# KiCad board RP2040-Breadstick Panel.kicad_pcb (continued)
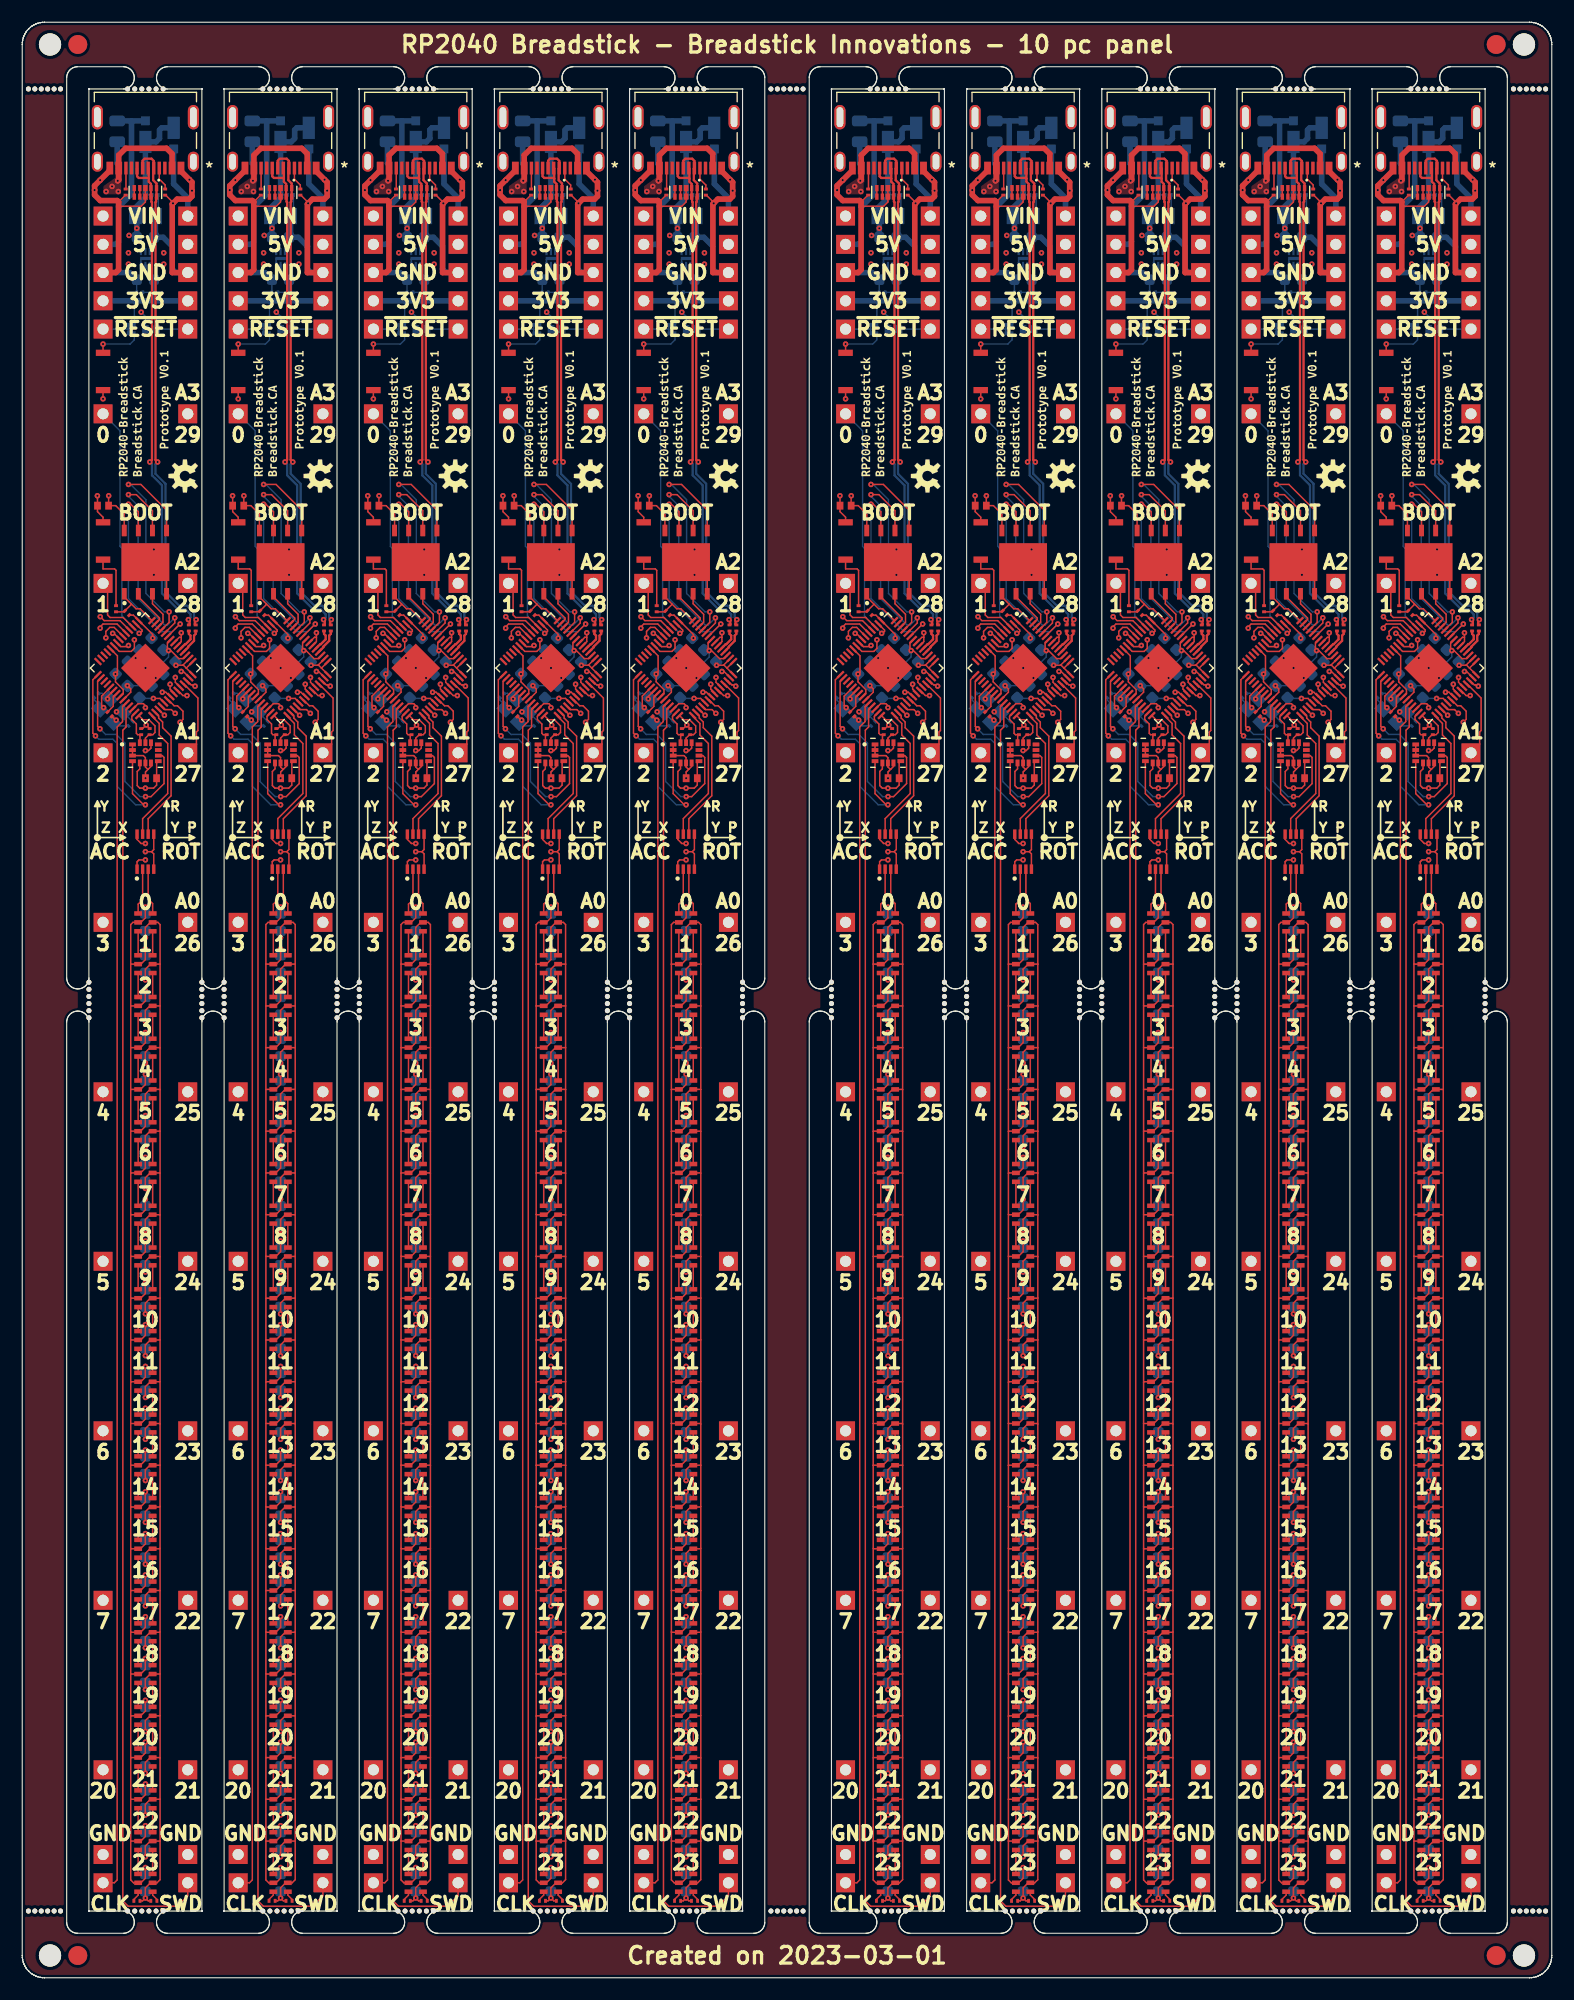
[diagram p0: board, top side]
## Routing (per net, layer and track width the routed paths; a pad name or vN(x,y) marks a point on that pad's centre or on a via; arc(x,y) is an arc through that point)
Board_0-/Power/5V4A: length 23
  L3_SIG.Cu w0.5: J504#7.1 J503#9.1
  L8_SIG.Cu w0.5: J504#7.1 8.44,155.86 8.67,156.09 8.67,159.21 9.83,160.38 9.83,166.96 ; 9.83,166.96 11.07,166.96 D502#6.2 ; 9.83,166.96 F501#6.2
Board_1-/Power/5V4A: length 23
  L3_SIG.Cu w0.5: J504#5.1 J503#5.1
  L8_SIG.Cu w0.5: J504#5.1 20.6,155.86 20.83,156.09 20.83,159.21 21.99,160.38 21.99,166.96 ; 21.99,166.96 23.23,166.96 D502#2.2 ; 21.99,166.96 F501#10.2
Board_2-/Power/5V4A: length 23
  L3_SIG.Cu w0.5: J504#10.1 J503#6.1
  L8_SIG.Cu w0.5: J504#10.1 32.76,155.86 32.99,156.09 32.99,159.21 34.15,160.38 34.15,166.96 ; 34.15,166.96 35.39,166.96 D502#10.2 ; 34.15,166.96 F501#5.2
Board_3-/Power/5V4A: length 23
  L3_SIG.Cu w0.5: J504#4.1 J503#3.1
  L8_SIG.Cu w0.5: J504#4.1 44.92,155.86 45.15,156.09 45.15,159.21 46.31,160.38 46.31,166.96 ; 46.31,166.96 47.55,166.96 D502#8.2 ; 46.31,166.96 F501.2
Board_4-/Power/5V4A: length 23
  L3_SIG.Cu w0.5: J504#8.1 J503#10.1
  L8_SIG.Cu w0.5: J504#8.1 57.08,155.86 57.31,156.09 57.31,159.21 58.47,160.38 58.47,166.96 ; 58.47,166.96 59.71,166.96 D502#5.2 ; 58.47,166.96 F501#8.2
Board_5-/Power/5V4A: length 23
  L3_SIG.Cu w0.5: J504#3.1 J503#2.1
  L8_SIG.Cu w0.5: J504#3.1 75.24,155.86 75.47,156.09 75.47,159.21 76.63,160.38 76.63,166.96 ; 76.63,166.96 77.87,166.96 D502#7.2 ; 76.63,166.96 F501#3.2
Board_6-/Power/5V4A: length 23
  L3_SIG.Cu w0.5: J504#6.1 J503#7.1
  L8_SIG.Cu w0.5: J504#6.1 87.4,155.86 87.63,156.09 87.63,159.21 88.79,160.38 88.79,166.96 ; 88.79,166.96 90.03,166.96 D502.2 ; 88.79,166.96 F501#4.2
Board_7-/Power/5V4A: length 23
  L3_SIG.Cu w0.5: J504#9.1 J503.1
  L8_SIG.Cu w0.5: J504#9.1 99.56,155.86 99.79,156.09 99.79,159.21 100.95,160.38 100.95,166.96 ; 100.95,166.96 102.19,166.96 D502#9.2 ; 100.95,166.96 F501#9.2
Board_8-/Power/5V4A: length 23
  L3_SIG.Cu w0.5: J504#2.1 J503#4.1
  L8_SIG.Cu w0.5: J504#2.1 111.72,155.86 111.95,156.09 111.95,159.21 113.11,160.38 113.11,166.96 ; 113.11,166.96 114.35,166.96 D502#4.2 ; 113.11,166.96 F501#2.2
Board_9-/Power/5V4A: length 23
  L3_SIG.Cu w0.5: J504.1 J503#8.1
  L8_SIG.Cu w0.5: J504.1 123.88,155.86 124.11,156.09 124.11,159.21 125.27,160.38 125.27,166.96 ; 125.27,166.96 126.51,166.96 D502#3.2 ; 125.27,166.96 F501#7.2
Board_0-3V3_LDO: length 53.3
  L1_SIG.Cu w0.127: U401#8.8 12.09,109.24 C401#2.1 12.09,107.24 11.82,106.97 v1(11.08,106.97) 10.57,106.97 10.34,107.19 10.34,108.46 10.58,108.7 U401#8.5 ; 14.31,120.53 14.13,120.53 U201.49 ; 14.31,120.53 14.31,120.14 U201.48 ; 14.31,120.53 v1(14.31,120.94) ; U401#8.12 11.58,110.56 11.36,110.34 v1(11.08,110.34) ; R205#3.1 10,122.52 U201.1 11.74,120.78 v1(11.74,120.45) ; 14.76,117.76 14.5,118.01 14.45,118.01 ; 14.76,117.76 14.76,117.76 U201.43 ; 14.76,117.76 U201.42 ; 9.18,130.13 9.18,131.6 8.41,132.37 C216#2.1 7.77,133.25 v1(7.78,133.25) ; U201.10 8.57,118.86 8.57,117.4 v1(8.39,117.23) 8.39,116.52 9.09,115.82 9.09,115.49 U201.22 ; R210.2 11.46,112.33 v1(11.15,112.64) 10.83,112.32 R209#9.2 ; v1(11.08,101.99) 10.7,101.99 10.33,102.36 IC301#3.8 ; v1(11.8,115.03) 12.4,115.03 U201.33 ; 14.45,118.01 U201.44 ; 14.45,118.01 v1(13.82,118.01)
  L3_SIG.Cu w0.5: J508#9.1 J507#5.1
  L8_SIG.Cu w0.127: v1(8.39,117.23) 8.4,117.24 C210#9.1 ; v1(11.8,115.03) 10.6,115.03 C206#5.1 ; 10.06,150.78 10.09,150.76 R208#2.1 ; C211#9.1 13.82,118.28 v1(13.82,118.01) ; R502#2.2 11.84,151.54
  L8_SIG.Cu w0.15: 11.48,153.33 11.86,152.95 C503#2.1
  L8_SIG.Cu w0.203: U501#3.2 11.08,153.47 11.23,153.33 11.48,153.33 U501#3.1
  L8_SIG.Cu w0.5: 11.74,150.78 J507#5.1 ; 11.74,150.78 J508#9.1 ; 11.74,150.78 11.87,150.91 11.87,152.67
Board_0-+1V1: length 10.2
  L1_SIG.Cu w0.127: U201.23 9.76,115.59 9.76,115.88 v1(9.46,116.18) ; U201.45 14.48,118.61 14.09,118.61 13.37,119.33 v1(13.16,119.33) 13.06,119.44 13.06,120.02 U201.50
  L8_SIG.Cu w0.127: v1(13.16,119.33) 13.16,118.76 10.58,116.18 v1(9.46,116.18)
Board_0-/Addressable RGB LEDs/CLK: length 4.1
  L1_SIG.Cu w0.127: IC301#3.2 10.83,96.94 10.43,96.54 LED301#3.4
Board_0-/Addressable RGB LEDs/DATA: length 4.1
  L1_SIG.Cu w0.127: IC301#3.3 11.33,96.99 11.73,96.59 LED301#3.3
Board_0-/RP2040/ADC0: length 26.2
  L1_SIG.Cu w0.127: U201.38 13.77,116.48 v1(13.77,116.92)
  L3_SIG.Cu w0.127: J220#10.1 14.89,107.85 13.77,108.97 13.77,111.27 15.36,111.27 15.8,111.71 15.8,115.02 13.9,116.92 v1(13.77,116.92)
Board_0-/RP2040/ADC1: length 7.1
  L1_SIG.Cu w0.127: J219.1 15.67,110.92 15.67,112.01 15.8,112.15 15.8,115.07 14.55,116.32 U201.39
Board_0-/RP2040/ADC2: length 12.9
  L1_SIG.Cu w0.127: U201.40 14.84,116.6 15.19,116.25 15.3,116.25 15.42,116.13 v1(15.55,116.13)
  L3_SIG.Cu w0.127: v1(15.55,116.13) 15.55,118.91 12.68,121.78 12.68,124.11 13.95,125.38 J218#6.1
Board_0-/RP2040/ADC3: length 26.9
  L1_SIG.Cu w0.127: U201.41 14.5,117.46 v1(14.31,117.46)
  L3_SIG.Cu w0.127: v1(14.31,117.46) 14.66,117.81 14.66,118.62 11.66,121.62 11.66,124.45 13.19,125.98 13.19,128.07 14.89,129.77 J217#9.1
Board_0-/RP2040/D0: length 22.3
  L1_SIG.Cu w0.127: v1(10.52,120.88) 10.6,120.88 10.78,121.06 10.78,121.18 U201.2
  L8_SIG.Cu w0.127: v1(10.52,120.88) 8.97,122.43 8.97,128.53 8.79,128.71 8.79,139.1 J205#9.1
Board_0-/RP2040/D1: length 5.7
  L1_SIG.Cu w0.127: J206#3.1 7.68,124.97 7.68,122.54 7.9,122.31 9.08,122.31 U201.3
Board_0-/RP2040/D2: length 16.5
  L1_SIG.Cu w0.127: U201.4 8.79,122.03 7.37,122.03 v1(7.02,122.38)
  L3_SIG.Cu w0.127: v1(7.02,122.38) 6.38,121.74 6.38,113.26 6.71,112.93 7.14,112.93 7.54,112.53 7.54,111.43 7.27,111.16 J207#4.1
Board_0-/RP2040/D3: length 30.6
  L1_SIG.Cu w0.127: v1(7.01,121.35) 7.01,121.46 7.27,121.72 8.53,121.72 U201.5
  L3_SIG.Cu w0.127: v1(7.01,121.35) 6.99,121.33 6.99,114.94 6.81,114.76 6.81,114.03 8.4,112.44 8.4,108.93 7.27,107.8 J208#6.1
Board_0-/RP2040/D4: length 44.8
  L1_SIG.Cu w0.127: U201.6 8.27,121.42 7.88,121.42 7.52,121.06 v1(7.52,120.48)
  L3_SIG.Cu w0.127: J209#3.1 7.27,92.33 8.4,93.46 8.4,108.2 8.86,108.66 8.86,112.5 9.02,112.66 9.02,114.39 7.52,115.89 v1(7.52,120.48)
Board_0-/RP2040/D5: length 59
  L1_SIG.Cu w0.127: v1(8.13,120.88) 8.24,120.88 U201.7
  L3_SIG.Cu w0.127: v1(8.13,120.88) 8.13,117.89 7.88,117.63 7.88,116.98 9.39,115.47 9.39,112.25 9.32,112.18 9.32,108.31 8.99,107.98 8.99,92.85 8.41,92.27 8.41,78.22 7.27,77.08 J210#3.1
Board_0-/RP2040/D6: length 73.9
  L1_SIG.Cu w0.127: v1(9.56,119.79) 9.45,119.69 8.87,119.69 U201.8
  L3_SIG.Cu w0.127: v1(9.56,119.79) 9.2,119.79 8.92,119.51 8.92,117.72 9.98,116.66 9.98,114.03 9.79,113.84 9.79,112.07 9.73,112.01 9.73,108.08 9.58,107.93 9.58,92.21 9.06,91.69 9.06,63.31 7.27,61.52 J211.1
Board_0-/RP2040/D7: length 91.4
  L1_SIG.Cu w0.127: v1(10.09,120.3) 10.09,119.54 9.81,119.26 8.73,119.26 U201.9
  L3_SIG.Cu w0.127: v1(10.09,120.3) 10.09,119.33 9.69,118.93 9.69,118.17 10.75,117.11 10.75,114.79 10.41,114.45 10.41,113.42 10.18,113.19 10.18,107.8 10.06,107.68 10.06,91.44 9.82,91.2 9.82,62.09 8.6,60.87 8.6,44.1 7.27,42.77 J212#3.1
Board_0-/RP2040/D20: length 98.8
  L1_SIG.Cu w0.127: v1(12.79,113.52) 12.77,113.52 U201.31
  L3_SIG.Cu w0.127: v1(12.79,113.52) 11.27,113.52 10.59,112.84 10.59,61.15 9.85,60.41 9.85,32.49 7.27,29.91 J204.1
Board_0-/RP2040/D21: length 99.2
  L1_SIG.Cu w0.127: U201.32 12.83,114.03 13.42,114.03 13.75,113.69 v1(13.76,113.69)
  L3_SIG.Cu w0.127: v1(13.76,113.69) 13.56,113.49 13.56,113.17 13.39,113 12.59,113 11.59,112 11.59,61.15 12.34,60.4 12.34,32.39 14.89,29.84 J203#3.1
Board_0-/RP2040/D22: length 84.5
  L1_SIG.Cu w0.127: v1(14.2,112.89) 14.46,113.15 14.46,113.88 13.97,114.37 13.67,114.37 13.13,114.91 U201.34
  L3_SIG.Cu w0.127: v1(14.2,112.89) 13.92,112.61 12.85,112.61 12.06,111.82 12.06,107.82 12.14,107.74 12.14,91.48 12.37,91.25 12.37,62.28 13.59,61.06 13.59,44.18 14.83,42.94 14.83,34 J213#8.1
Board_0-/RP2040/D23: length 71.1
  L1_SIG.Cu w0.127: U201.35 13.31,115.19 12.91,115.59 v1(12.6,115.59)
  L3_SIG.Cu w0.127: v1(12.6,115.59) 12.92,115.59 14.72,113.79 14.72,112.48 14.48,112.24 13.06,112.24 12.52,111.7 12.52,108.08 12.66,107.94 12.66,92.01 13.11,91.56 13.11,63.31 14.89,61.53 J214#3.1
Board_0-/RP2040/D24: length 56.2
  L1_SIG.Cu w0.127: U201.36 13.65,115.52 13.3,115.87 v1(13.3,116.31)
  L3_SIG.Cu w0.127: v1(13.3,116.31) 13.3,115.87 15.09,114.08 15.09,112.19 14.81,111.92 13.26,111.92 12.94,111.6 12.94,108.31 13.2,108.05 13.2,92.71 13.76,92.15 13.76,78.12 14.89,76.99 J215#3.1
Board_0-/RP2040/D25: length 39.4
  L1_SIG.Cu w0.127: v1(14.82,115.29) 14.45,115.29 13.98,115.76 U201.37
  L3_SIG.Cu w0.127: v1(14.82,115.29) 15.44,114.67 15.44,111.95 15.12,111.63 13.54,111.63 13.35,111.44 13.35,108.69 13.77,108.27 13.77,93.35 14.89,92.23 J202#6.1
Board_0-/RP2040/MCU_QSPI_CSN: length 5.4
  L1_SIG.Cu w0.127: 9.8,123.54 10.24,123.09 10.6,123.09 U201.56 ; 9.8,123.54 9.8,123.47 R205#3.2 9.15,122.82 R204#7.2 ; 9.8,123.54 9.18,124.16 9.18,124.44
Board_0-/RP2040/MCU_QSPI_SCLK: length 20.6
  L1_SIG.Cu w0.127: v1(13.72,122.28) 13.72,121.82 U201.52 ; U203#7.6 11.71,131.91 10.27,133.36 v1(9.56,133.36)
  L8_SIG.Cu w0.127: v1(13.72,122.28) 13.06,121.62 12.81,121.62 10.42,124.01 10.42,132.34 9.56,133.2 v1(9.56,133.36)
Board_0-/RP2040/MCU_QSPI_SD0: length 21.5
  L1_SIG.Cu w0.127: U203#7.5 12.98,131.96 10.67,134.27 v1(9.56,134.27) ; v1(13.21,122.81) 13.21,121.87 U201.53
  L8_SIG.Cu w0.127: v1(9.56,134.27) 9.76,134.27 11.13,132.9 11.13,124.47 12.78,122.81 v1(13.21,122.81)
Board_0-/RP2040/MCU_QSPI_SD1: length 3.6
  L1_SIG.Cu w0.127: U201.55 12.35,122.14 12.35,122.26 10.45,124.16 U203#7.2
Board_0-/RP2040/MCU_QSPI_SD2: length 3.5
  L1_SIG.Cu w0.127: U203#7.3 11.71,123.55 12.66,122.6 12.66,121.89 U201.54
Board_0-/RP2040/MCU_QSPI_SD3: length 19.1
  L1_SIG.Cu w0.127: v1(9.56,132.49) 9.76,132.49 10.45,131.81 U203#7.7 ; v1(14.2,121.72) 14.19,121.72 U201.51
  L8_SIG.Cu w0.127: v1(14.2,121.72) 13.52,121.04 12.53,121.04 9.56,124.01 v1(9.56,132.49)
Board_0-/RP2040/MCU_USB_D+: length 2.1
  L1_SIG.Cu w0.2: U201.47 14.64,119.91 14.7,119.91
  L1_SIG.Cu w0.203: 14.7,119.91 15.14,120.35 15.14,120.68 14.99,120.83 R203#4.1
Board_0-/RP2040/MCU_USB_D-: length 2.3
  L1_SIG.Cu w0.2: U201.46 14.93,119.63 14.93,119.68
  L1_SIG.Cu w0.203: 14.93,119.68 15.46,120.21 15.46,120.68 15.6,120.83 R202#6.1
Board_0-/RP2040/USB_D+: length 45.2
  L1_SIG.Cu w0.203: 11.38,161.77 11.32,161.83 10.48,161.83 10.33,161.98 J221#7.B6 ; 11.38,161.77 11.38,162.67 J221#7.A6 ; 11.38,161.77 11.38,161.49 11.58,161.29 U202#2.2 U202#2.9 11.62,160.11 11.62,159.7 11.67,159.64 11.67,136.48 v1(11.48,136.29) ; R203#4.2 15.06,121.71 15.06,122 v1(14.95,122.12)
  L8_SIG.Cu w0.203: v1(14.95,122.12) 15.14,122.31 15.14,122.6 14.68,123.05 13.99,123.05 12.57,124.47 12.57,134.19 11.67,135.09 11.67,136.1 v1(11.48,136.29)
Board_0-/RP2040/USB_D-: length 45.9
  L1_SIG.Cu w0.203: v1(15.65,122.12) 15.53,122 15.53,121.71 R202#6.2 ; J221#7.A7 10.83,163.38 11.01,163.56 11.63,163.56 11.83,163.36 J221#7.B7 11.78,162.67 11.78,161.63 12.08,161.33 U202#2.1 U202#2.10 12.04,160.11 12.04,159.7 11.99,159.64 11.99,136.48 v1(12.18,136.29)
  L8_SIG.Cu w0.203: v1(15.65,122.12) 15.46,122.31 15.46,122.73 14.82,123.37 14.13,123.37 12.89,124.61 12.89,134.33 11.99,135.23 11.99,136.1 v1(12.18,136.29)
Board_0-/RP2040/~{RESET}: length 49.9
  L1_SIG.Cu w0.127: U201.26 10.43,114.56 10.9,114.56 11.08,114.38 v1(11.08,114.2)
  L3_SIG.Cu w0.127: 10.45,148.24 10.45,121.77 11.13,121.09 11.13,118.52 11.71,117.94 11.71,117.49 11.31,117.09 11.31,114.43 v1(11.08,114.2)
  L3_SIG.Cu w0.5: J201#10.1 J222#8.1
  L8_SIG.Cu w0.127: C207#2.1 J201#10.1 ; 9.54,148.22 9.51,148.24 J222#8.1 ; 9.54,148.22 R211#7.2 ; 9.54,148.22 R208#2.2
Board_0-GND: length 241.1
  L1_SIG.Cu w0.127: 11.64,101.25 11.83,101.44 IC301#3.5 ; 11.64,101.25 v1(11.08,101.25) ; 11.64,101.25 11.83,101.06 IC301#3.4 ; U202#2.3 U202#2.8 11.08,159.67 10.7,159.29 8.67,159.29 ; 12.4,12.3 12.39,12.29 LED323#3.2 11.53,12.29 11.08,11.84 v1(11.08,10.88) ; 12.4,12.3 12.4,8.82 12.12,8.54 LED324.2 11.53,8.54 11.08,8.08 v1(11.08,7.17) ; 12.4,12.3 12.4,16.06 ; v1(11.08,7.17) 10.83,6.91 R304#3.2 ; v1(11.08,7.17) 11.33,6.91 R305#4.2 ; 12.4,38.61 12.4,34.8 ; 12.4,38.61 12.36,38.57 LED316.2 11.5,38.57 11.08,38.16 v1(11.08,37.19) ; 12.4,38.61 12.4,42.37 ; 12.4,34.8 12.4,31.1 ; 12.4,34.8 12.39,34.82 LED317#7.2 11.5,34.82 11.08,34.4 v1(11.08,33.43) ; 11.33,108.67 11.28,108.67 11.08,108.87 U401#8.6 11.08,109.71 10.9,109.89 U401#8.3 U401#8.2 U401#8.1 ; 11.33,108.67 11.09,108.42 v1(11.09,107.86) C401#2.2 ; 11.33,108.67 11.58,108.91 U401#8.7 ; 12.4,49.79 12.4,46.08 ; 12.4,49.79 12.4,53.6 ; 12.4,49.79 12.35,49.84 LED313#5.2 11.53,49.84 11.08,49.38 v1(11.08,48.42) ; 12.4,46.08 LED314#5.2 11.49,46.08 11.08,45.67 v1(11.08,44.71) ; 12.4,46.08 12.4,42.37 ; v1(13.56,159.55) 13.56,159.63 12.9,160.28 R207#7.2 ; 12.4,27.34 12.4,23.58 ; 12.4,27.34 12.4,31.1 ; 12.4,27.34 12.37,27.31 LED319#5.2 11.51,27.31 11.08,26.88 v1(11.08,25.91) ; 12.4,23.58 12.38,23.55 LED320#6.2 11.51,23.55 11.08,23.12 v1(11.08,22.15) ; 12.4,23.58 12.4,19.77 ; U203#7.4 12.98,127.29 v1(11.84,128.43) ; 12.4,16.06 12.39,16.04 LED322#9.2 11.52,16.04 11.08,15.6 v1(11.08,14.64) ; 12.4,16.06 12.4,19.77 ; v1(11.84,126.14) 11.84,126.52 U203#7.9 ; v1(11.08,89.72) 11.08,90.68 11.54,91.14 LED302#9.2 12.4,91.14 ; v1(11.08,78.49) 11.08,79.46 11.5,79.88 LED305#9.2 12.39,79.88 12.4,79.86 ; v1(11.08,59.7) 11.08,60.66 11.52,61.1 LED310.2 12.38,61.1 12.4,61.12 ; 12.4,53.6 12.39,53.59 LED312#7.2 11.53,53.59 11.08,53.14 v1(11.08,52.18) ; 12.4,53.6 12.4,57.36 ; 12.4,87.38 12.4,83.62 ; 12.4,87.38 12.4,91.14 ; 12.4,87.38 12.4,87.39 LED303#10.2 11.49,87.39 11.08,86.98 v1(11.08,86.01) ; 12.4,83.62 12.39,83.63 LED304#7.2 11.49,83.63 11.08,83.22 v1(11.08,82.25) ; 12.4,83.62 12.4,79.86 ; 12.4,91.14 12.4,94.7 12.2,94.9 LED301#3.2 11.53,94.9 11.08,94.44 v1(11.08,93.53) ; 12.4,76.1 12.38,76.12 LED306#5.2 11.5,76.12 11.08,75.7 v1(11.08,74.73) ; 12.4,76.1 12.4,79.86 ; 12.4,76.1 12.4,72.34 ; 12.4,64.83 12.4,61.12 ; 12.4,64.83 12.37,64.86 LED309#6.2 11.52,64.86 11.08,64.42 v1(11.08,63.45) ; 12.4,64.83 12.4,68.59 ; 12.4,61.12 12.4,57.36 ; 12.4,68.59 12.37,68.61 LED308#4.2 11.51,68.61 11.08,68.18 v1(11.08,67.21) ; 12.4,68.59 12.4,72.34 ; 12.4,19.77 12.37,19.8 LED321#10.2 11.52,19.8 11.08,19.36 v1(11.08,18.4) ; 12.4,31.1 12.37,31.06 LED318#5.2 11.51,31.06 11.08,30.64 v1(11.08,29.67) ; 12.4,42.37 12.36,42.33 LED315#10.2 11.49,42.33 11.08,41.92 v1(11.08,40.95) ; v1(7.32,114.2) 7.14,114.38 7.14,115.24 U201.19 ; v1(11.08,70.97) 11.08,71.94 11.51,72.37 LED307#6.2 12.38,72.37 12.4,72.34 ; 12.4,57.36 12.39,57.35 LED311#6.2 11.53,57.35 11.08,56.9 v1(11.08,55.94) ; R206#7.2 9.28,160.28 8.68,159.68 8.65,159.68 ; v1(6.76,133.25) 6.77,133.25 C216#2.2 6.77,131.82 7.27,131.32 SW201#4.1 ; SW202#10.1 v1(7.27,141.97)
  L1_SIG.Cu w0.5: J221#7.A1/B12 14.28,162.44 v1(15.04,161.68) 15.27,161.45 v1(15.27,160.69) 15.27,160.18 15.02,159.92 13.94,159.92 v1(13.56,159.55) 13.49,159.48 13.49,153.32 J506#6.1 ; J505#9.1 8.41,153.32 8.67,153.57 8.67,159.67 8.54,159.8 7.02,159.8 6.51,160.31 v1(6.51,160.74) 6.51,161.13 v1(7.01,161.63) 7.88,162.5 J221#7.B1/A12
  L3_SIG.Cu w0.5: J505#9.1 J506#6.1
  L8_SIG.Cu w0.127: v1(11.08,82.25) C306#8.2 ; v1(11.08,22.15) C322#4.2 ; v1(11.08,40.95) C317#7.2 ; U501#3.7 10.75,154.59 10.68,154.52 U501#3.3 ; v1(10.7,149.76) 11.09,149.38 C207#2.2 ; C309#2.2 11.08,71.58 v1(11.08,70.97) ; v1(11.08,86.01) C305#10.2 ; v1(11.08,18.4) C323#9.2 ; C201.2 6.49,114.88 6.97,114.41 ; v1(11.08,93.53) 11.08,94.13 ; C501#9.2 12.24,158.66 R501#8.1 ; v1(11.08,10.88) C325#7.2 ; v1(11.08,67.21) C310#2.2 ; v1(11.08,89.72) C304#2.2 ; v1(11.08,52.18) C314#9.2 ; v1(11.08,78.49) C307#9.2 ; C203#10.2 9.92,112.95 9.09,113.78 Y201#5.2 ; R502#2.1 10.3,152.68 C503#2.2 ; v1(11.08,74.73) 11.08,75.34 C308#10.2 ; v1(11.08,14.64) C324#4.2 ; v1(11.08,63.45) C311#6.2 ; v1(11.08,44.71) C316#8.2 ; v1(11.08,29.67) C320#4.2 ; v1(11.08,55.94) C313#8.2 ; v1(11.08,33.43) C319#7.2 ; v1(11.08,37.19) C318#6.2 ; v1(11.08,7.17) C326#8.2 ; v1(11.08,59.7) C312#4.2 ; v1(11.08,48.42) C315.2 ; v1(11.08,25.91) C321#9.2
  L8_SIG.Cu w0.203: C503#2.2 10.68,153.06 U501#3.3
  L8_SIG.Cu w0.5: C503#2.2 10.29,152.69 9.66,153.32 J505#9.1 ; C501#9.2 11.98,156.62 C502#7.2 12.68,156.5 13.49,155.68 13.49,153.62 13.8,153.32 J506#6.1
  vias: v1(8.48,113.83) v1(10.2,118.66) v1(11.09,117.77) v1(12.01,116.87)
Board_0-IMU_INT1: length 19.6
  L1_SIG.Cu w0.127: v1(11.08,105.47) 10.92,105.47 9.92,106.47 U401#8.4 ; v1(6.59,111.66) 6.35,111.9 6.35,116.71 U201.15
  L8_SIG.Cu w0.127: v1(6.59,111.66) 6.89,111.36 8.16,111.36 8.56,110.96 8.56,107.11 10.2,105.47 v1(11.08,105.47)
Board_0-IMU_INT2: length 18.5
  L1_SIG.Cu w0.127: U401#8.9 12.59,109.89 12.76,109.72 12.76,107.37 11.59,106.2 v1(11.09,106.2) ; U201.16 6.78,116.57 6.78,112.51 v1(6.99,112.3)
  L8_SIG.Cu w0.127: v1(11.09,106.2) 10.6,106.2 9.24,107.56 9.24,111.01 8.46,111.79 7.5,111.79 v1(6.99,112.3)
Board_0-IMU_SCL: length 3.9
  L1_SIG.Cu w0.127: U201.28 10.86,113.12 11.39,113.12 11.94,112.56 11.94,111.97 11.74,111.77 R210.1 11.39,111.77 11.08,111.46 U401#8.13
Board_0-IMU_SDA: length 3.4
  L1_SIG.Cu w0.127: U201.27 9.86,113.43 9.86,113.14 10.27,112.73 10.27,111.89 10.39,111.77 R209#9.1 10.59,111.66 10.59,111.06 U401#8.14
Board_0-LED_CLK: length 12.2
  L1_SIG.Cu w0.127: IC301#3.7 10.83,104.23 13.09,106.48 13.09,110.98 12.32,111.74 12.32,112.78 11.67,113.44 U201.29
Board_0-LED_DATA: length 12.4
  L1_SIG.Cu w0.127: IC301#3.6 11.33,104.22 13.39,106.28 13.39,111.64 12.63,112.4 12.63,112.91 12.27,113.26 12.27,113.45 U201.30
Board_0-Net-(C201-Pad1): length 2
  L1_SIG.Cu w0.127: U201.20 7.68,115.2 v1(7.68,114.99)
  L8_SIG.Cu w0.127: v1(7.68,114.99) 7.18,115.49 C201.1
Board_0-Net-(C203-Pad1): length 2.1
  L1_SIG.Cu w0.127: R201#5.1 8.39,113.08 v1(8.45,113.08)
  L8_SIG.Cu w0.127: C203#10.1 8.45,112.56 Y201#5.3
Board_0-Net-(J221-PadA5): length 2.1
  L1_SIG.Cu w0.127: R207#7.1 12.86,161.19 12.33,161.72 J221#7.A5
Board_0-Net-(J221-PadB5): length 1.9
  L1_SIG.Cu w0.127: J221#7.B5 9.33,160.86 R206#7.1
Board_0-Net-(LED301-Pad1): length 2.2
  L1_SIG.Cu w0.127: LED301#3.1 LED302#9.3
Board_0-Net-(LED301-Pad6): length 2.2
  L1_SIG.Cu w0.127: LED301#3.6 LED302#9.4
Board_0-Net-(LED302-Pad1): length 2.2
  L1_SIG.Cu w0.127: LED302#9.1 LED303#10.3
Board_0-Net-(LED302-Pad6): length 2.2
  L1_SIG.Cu w0.127: LED302#9.6 LED303#10.4
Board_0-Net-(LED303-Pad1): length 2.2
  L1_SIG.Cu w0.127: LED303#10.1 LED304#7.3
Board_0-Net-(LED303-Pad6): length 2.2
  L1_SIG.Cu w0.127: LED303#10.6 LED304#7.4
Board_0-Net-(LED304-Pad1): length 2.2
  L1_SIG.Cu w0.127: LED304#7.1 LED305#9.3
Board_0-Net-(LED304-Pad6): length 2.2
  L1_SIG.Cu w0.127: LED304#7.6 LED305#9.4
Board_0-Net-(LED305-Pad1): length 2.2
  L1_SIG.Cu w0.127: LED305#9.1 LED306#5.3
Board_0-Net-(LED305-Pad6): length 2.2
  L1_SIG.Cu w0.127: LED305#9.6 LED306#5.4
Board_0-Net-(LED306-Pad1): length 2.2
  L1_SIG.Cu w0.127: LED306#5.1 LED307#6.3
Board_0-Net-(LED306-Pad6): length 2.2
  L1_SIG.Cu w0.127: LED306#5.6 LED307#6.4
Board_0-Net-(LED307-Pad1): length 2.2
  L1_SIG.Cu w0.127: LED307#6.1 LED308#4.3
Board_0-Net-(LED307-Pad6): length 2.2
  L1_SIG.Cu w0.127: LED307#6.6 LED308#4.4
Board_0-Net-(LED308-Pad1): length 2.2
  L1_SIG.Cu w0.127: LED308#4.1 LED309#6.3
Board_0-Net-(LED308-Pad6): length 2.2
  L1_SIG.Cu w0.127: LED308#4.6 LED309#6.4
Board_0-Net-(LED309-Pad1): length 2.2
  L1_SIG.Cu w0.127: LED309#6.1 LED310.3
Board_0-Net-(LED309-Pad6): length 2.2
  L1_SIG.Cu w0.127: LED309#6.6 LED310.4
Board_0-Net-(LED310-Pad1): length 2.2
  L1_SIG.Cu w0.127: LED310.1 LED311#6.3
Board_0-Net-(LED310-Pad6): length 2.2
  L1_SIG.Cu w0.127: LED310.6 LED311#6.4
Board_0-Net-(LED311-Pad1): length 2.2
  L1_SIG.Cu w0.127: LED311#6.1 LED312#7.3
Board_0-Net-(LED311-Pad6): length 2.2
  L1_SIG.Cu w0.127: LED311#6.6 LED312#7.4
Board_0-Net-(LED312-Pad1): length 2.2
  L1_SIG.Cu w0.127: LED312#7.1 LED313#5.3
Board_0-Net-(LED312-Pad6): length 2.2
  L1_SIG.Cu w0.127: LED312#7.6 LED313#5.4
Board_0-Net-(LED313-Pad1): length 2.2
  L1_SIG.Cu w0.127: LED313#5.1 LED314#5.3
Board_0-Net-(LED313-Pad6): length 2.2
  L1_SIG.Cu w0.127: LED313#5.6 LED314#5.4
Board_0-Net-(LED314-Pad1): length 2.2
  L1_SIG.Cu w0.127: LED314#5.1 LED315#10.3
Board_0-Net-(LED314-Pad6): length 2.2
  L1_SIG.Cu w0.127: LED314#5.6 LED315#10.4
Board_0-Net-(LED315-Pad1): length 2.2
  L1_SIG.Cu w0.127: LED315#10.1 LED316.3
Board_0-Net-(LED315-Pad6): length 2.2
  L1_SIG.Cu w0.127: LED315#10.6 LED316.4
Board_0-Net-(LED316-Pad1): length 2.2
  L1_SIG.Cu w0.127: LED316.1 LED317#7.3
Board_0-Net-(LED316-Pad6): length 2.2
  L1_SIG.Cu w0.127: LED316.6 LED317#7.4
Board_0-Net-(LED317-Pad1): length 2.2
  L1_SIG.Cu w0.127: LED317#7.1 LED318#5.3
Board_0-Net-(LED317-Pad6): length 2.2
  L1_SIG.Cu w0.127: LED317#7.6 LED318#5.4
Board_0-Net-(LED318-Pad1): length 2.2
  L1_SIG.Cu w0.127: LED318#5.1 LED319#5.3
Board_0-Net-(LED318-Pad6): length 2.2
  L1_SIG.Cu w0.127: LED318#5.6 LED319#5.4
Board_0-Net-(LED319-Pad1): length 2.2
  L1_SIG.Cu w0.127: LED319#5.1 LED320#6.3
Board_0-Net-(LED319-Pad6): length 2.2
  L1_SIG.Cu w0.127: LED319#5.6 LED320#6.4
Board_0-Net-(LED320-Pad1): length 2.2
  L1_SIG.Cu w0.127: LED320#6.1 LED321#10.3
Board_0-Net-(LED320-Pad6): length 2.2
  L1_SIG.Cu w0.127: LED320#6.6 LED321#10.4
Board_0-Net-(LED321-Pad1): length 2.2
  L1_SIG.Cu w0.127: LED321#10.1 LED322#9.3
Board_0-Net-(LED321-Pad6): length 2.2
  L1_SIG.Cu w0.127: LED321#10.6 LED322#9.4
Board_0-Net-(LED322-Pad1): length 2.2
  L1_SIG.Cu w0.127: LED322#9.1 LED323#3.3
Board_0-Net-(LED322-Pad6): length 2.2
  L1_SIG.Cu w0.127: LED322#9.6 LED323#3.4
Board_0-Net-(LED323-Pad1): length 2.2
  L1_SIG.Cu w0.127: LED323#3.1 LED324.3
Board_0-Net-(LED323-Pad6): length 2.2
  L1_SIG.Cu w0.127: LED323#3.6 LED324.4
Board_0-Net-(LED324-Pad1): length 1
  L1_SIG.Cu w0.127: R305#4.1 12.12,7.05 11.73,7.43 LED324.1
Board_0-Net-(LED324-Pad6): length 1
  L1_SIG.Cu w0.127: LED324.6 10.43,7.43 10.04,7.05 R304#3.1
Board_0-Net-(R201-Pad2): length 2
  L1_SIG.Cu w0.127: U201.21 8.18,115.15 8.18,114.32 R201#5.2
Board_0-Net-(R204-Pad1): length 5.2
  L1_SIG.Cu w0.127: R204#7.1 8.44,126.55 8.31,126.68 7.27,126.68 SW201#4.2
Board_0-Net-(R211-Pad1): length 4.3
  L1_SIG.Cu w0.127: SW202#10.2 v1(7.27,146.89)
  L8_SIG.Cu w0.127: R211#7.1 10.09,147.27 9.71,146.89 v1(7.27,146.89)
Board_0-Net-(U202-Pad4): length 0.8
  L1_SIG.Cu w0.127: U202#2.4 U202#2.7
Board_0-Net-(U202-Pad5): length 0.8
  L1_SIG.Cu w0.127: U202#2.5 U202#2.6
Board_0-SWCLK: length 107.5
  L1_SIG.Cu w0.127: U201.24 9.02,114.29 9.02,112.95 8.54,112.46 8.54,8.79 8.29,8.54 J223#10.1
Board_0-SWD: length 115.3
  L1_SIG.Cu w0.127: J224#3.1 14.89,7.37 13.95,6.43 9.53,6.43 9.05,6.91 9.05,112.17 9.34,112.46 9.34,114.04 U201.25
Board_0-VBUS: length 12.5
  L1_SIG.Cu w0.5: J221#7.A4/B9 13.48,164 12.98,164.5 9.3,164.5 8.68,163.87 J221#7.B4/A9 8.68,161.66 v1(8.59,161.58)
  L8_SIG.Cu w0.5: v1(8.59,161.58) 8.67,161.65 8.67,163 8.54,163.12 F501#6.1
  vias: v1(7.55,160.61) v1(8.08,161.07) v1(8.64,160.61)
Board_0-VHI: length 174.3
  L1_SIG.Cu w0.127: 9.76,23.53 9.79,23.55 LED320#6.5 10.65,23.55 11.08,23.98 v1(11.08,24.95) ; 9.76,23.53 9.76,27.34 ; 9.76,23.53 9.76,19.77 ; v1(11.08,39.93) 11.08,39.02 10.63,38.57 LED316.5 9.8,38.57 9.76,38.61 ; v1(11.08,84.99) 11.08,84.08 10.63,83.63 LED304#7.5 9.77,83.63 9.76,83.62 ; 9.76,79.86 9.77,79.88 LED305#9.5 10.64,79.88 11.08,80.32 v1(11.08,81.23) ; 9.76,79.86 9.76,83.62 ; 9.76,79.86 9.76,76.1 ; 9.76,31.1 9.76,27.34 ; 9.76,31.1 9.79,31.06 LED318#5.5 10.64,31.06 11.08,31.5 v1(11.08,32.47) ; 9.76,31.1 9.76,34.8 ; 9.76,27.34 9.79,27.31 LED319#5.5 10.65,27.31 11.08,27.74 v1(11.08,28.71) ; v1(11.08,43.69) 11.08,42.78 10.63,42.33 LED315#10.5 9.8,42.33 9.76,42.37 ; 9.76,19.77 9.76,16.06 ; 9.76,19.77 9.79,19.8 LED321#10.5 10.66,19.8 11.08,20.22 v1(11.08,21.19) ; 9.76,16.06 9.77,16.04 LED322#9.5 10.66,16.04 11.08,16.46 v1(11.08,17.43) ; 9.76,16.06 9.76,12.3 ; 9.76,38.61 9.76,42.37 ; 9.76,38.61 9.76,34.8 ; 9.76,83.62 9.76,87.38 ; v1(11.08,62.49) 11.08,61.52 10.66,61.1 LED310.5 9.79,61.1 9.76,61.07 ; 9.76,91.14 9.76,87.38 ; 9.76,91.14 9.76,94.7 9.96,94.9 LED301#3.5 10.67,94.9 11.08,95.31 v1(11.08,96.27) ; 9.76,91.14 LED302#9.5 10.67,91.14 11.08,91.55 v1(11.08,92.51) ; 9.76,87.38 9.76,87.39 LED303#10.5 10.63,87.39 11.08,87.84 v1(11.08,88.75) ; 9.76,61.07 9.76,57.36 ; 9.76,61.07 9.76,64.88 ; 9.76,57.36 9.76,53.55 ; 9.76,57.36 9.77,57.35 LED311#6.5 10.66,57.35 11.08,57.77 v1(11.08,58.73) ; 9.76,68.64 9.78,68.61 LED308#4.5 10.65,68.61 11.08,69.04 v1(11.08,70.01) ; 9.76,68.64 9.76,72.34 ; 9.76,68.64 9.76,64.88 ; 9.76,12.3 9.76,8.79 10.02,8.54 LED324.5 10.67,8.54 11.08,8.95 v1(11.08,9.91) ; 9.76,12.3 9.77,12.29 LED323#3.5 10.66,12.29 11.08,12.71 v1(11.08,13.67) ; v1(11.08,100.51) 10.5,100.51 10.33,100.35 IC301#3.1 ; 9.76,53.55 9.8,53.59 LED312#7.5 10.67,53.59 11.08,54.01 v1(11.08,54.97) ; 9.76,53.55 9.76,49.84 ; 9.76,42.37 9.76,46.08 ; v1(11.08,66.25) 11.08,65.28 10.65,64.86 LED309#6.5 9.78,64.86 9.76,64.88 ; 9.76,46.08 LED314#5.5 10.62,46.08 11.08,46.54 v1(11.08,47.45) ; 9.76,46.08 9.76,49.84 ; v1(11.08,73.77) 11.08,72.8 10.64,72.37 LED307#6.5 9.78,72.37 9.76,72.34 ; 9.76,72.34 9.76,76.1 ; v1(11.08,77.53) 11.08,76.56 10.64,76.12 LED306#5.5 9.78,76.12 9.76,76.1 ; 9.76,49.84 9.76,49.84 LED313#5.5 10.67,49.84 11.08,50.25 v1(11.08,51.21) ; 9.76,34.8 9.77,34.82 LED317#7.5 10.64,34.82 11.08,35.26 v1(11.08,36.23)
  L8_SIG.Cu w0.127: v1(11.08,28.71) C321#9.1 ; v1(11.08,77.53) 11.08,76.92 C308#10.1 ; v1(11.08,88.75) C305#10.1 ; v1(11.08,54.97) C314#9.1 ; v1(11.08,9.91) C326#8.1 ; v1(11.08,70.01) C310#2.1 ; C309#2.1 11.08,73.16 v1(11.08,73.77) ; v1(11.08,32.47) C320#4.1 ; v1(11.08,62.49) C312#4.1 ; v1(11.08,58.73) C313#8.1 ; v1(11.08,96.27) C303#10.1 ; v1(11.08,84.99) C306#8.1 ; v1(11.08,17.43) C324#4.1 ; v1(11.08,21.19) C323#9.1 ; v1(11.08,51.21) C315.1 ; R501#8.2 11.21,160.31 11.08,160.43 ; v1(11.08,13.67) C325#7.1 ; v1(11.08,66.25) C311#6.1 ; v1(11.08,36.23) C319#7.1 ; v1(11.08,47.45) C316#8.1 ; v1(11.08,81.23) C307#9.1 ; v1(11.08,39.93) C318#6.1 ; v1(11.08,92.51) C304#2.1 ; v1(11.08,24.95) C322#4.1 ; v1(11.08,43.69) C317#7.1
  L8_SIG.Cu w0.5: D501#5.1 12.54,166.34 12.35,166.15 12.35,165.39 12.04,165.07 D502#6.1 11.08,160.05 10.18,159.15 C501#9.1 10.3,158.28 v1(10.3,157.31) C502#7.1
  vias: v1(9.61,156.66) v1(9.56,155.1) v1(9.56,154.08) v1(12.73,155.1) v1(12.73,154.08)
